# Altium PCB RTM_4SFP_3QSFP.PcbDoc (part 4 of 4)
Units mil, origin at the board's own origin, x right, y up, seen from the top; angles counter-clockwise.
Board outline 7187 x 5848.5 mil, 4 copper layers (L1, P2, P3, L4), stack 62.205 mil thick; 276 components, 257 nets, 1307 pads, 528 vias.
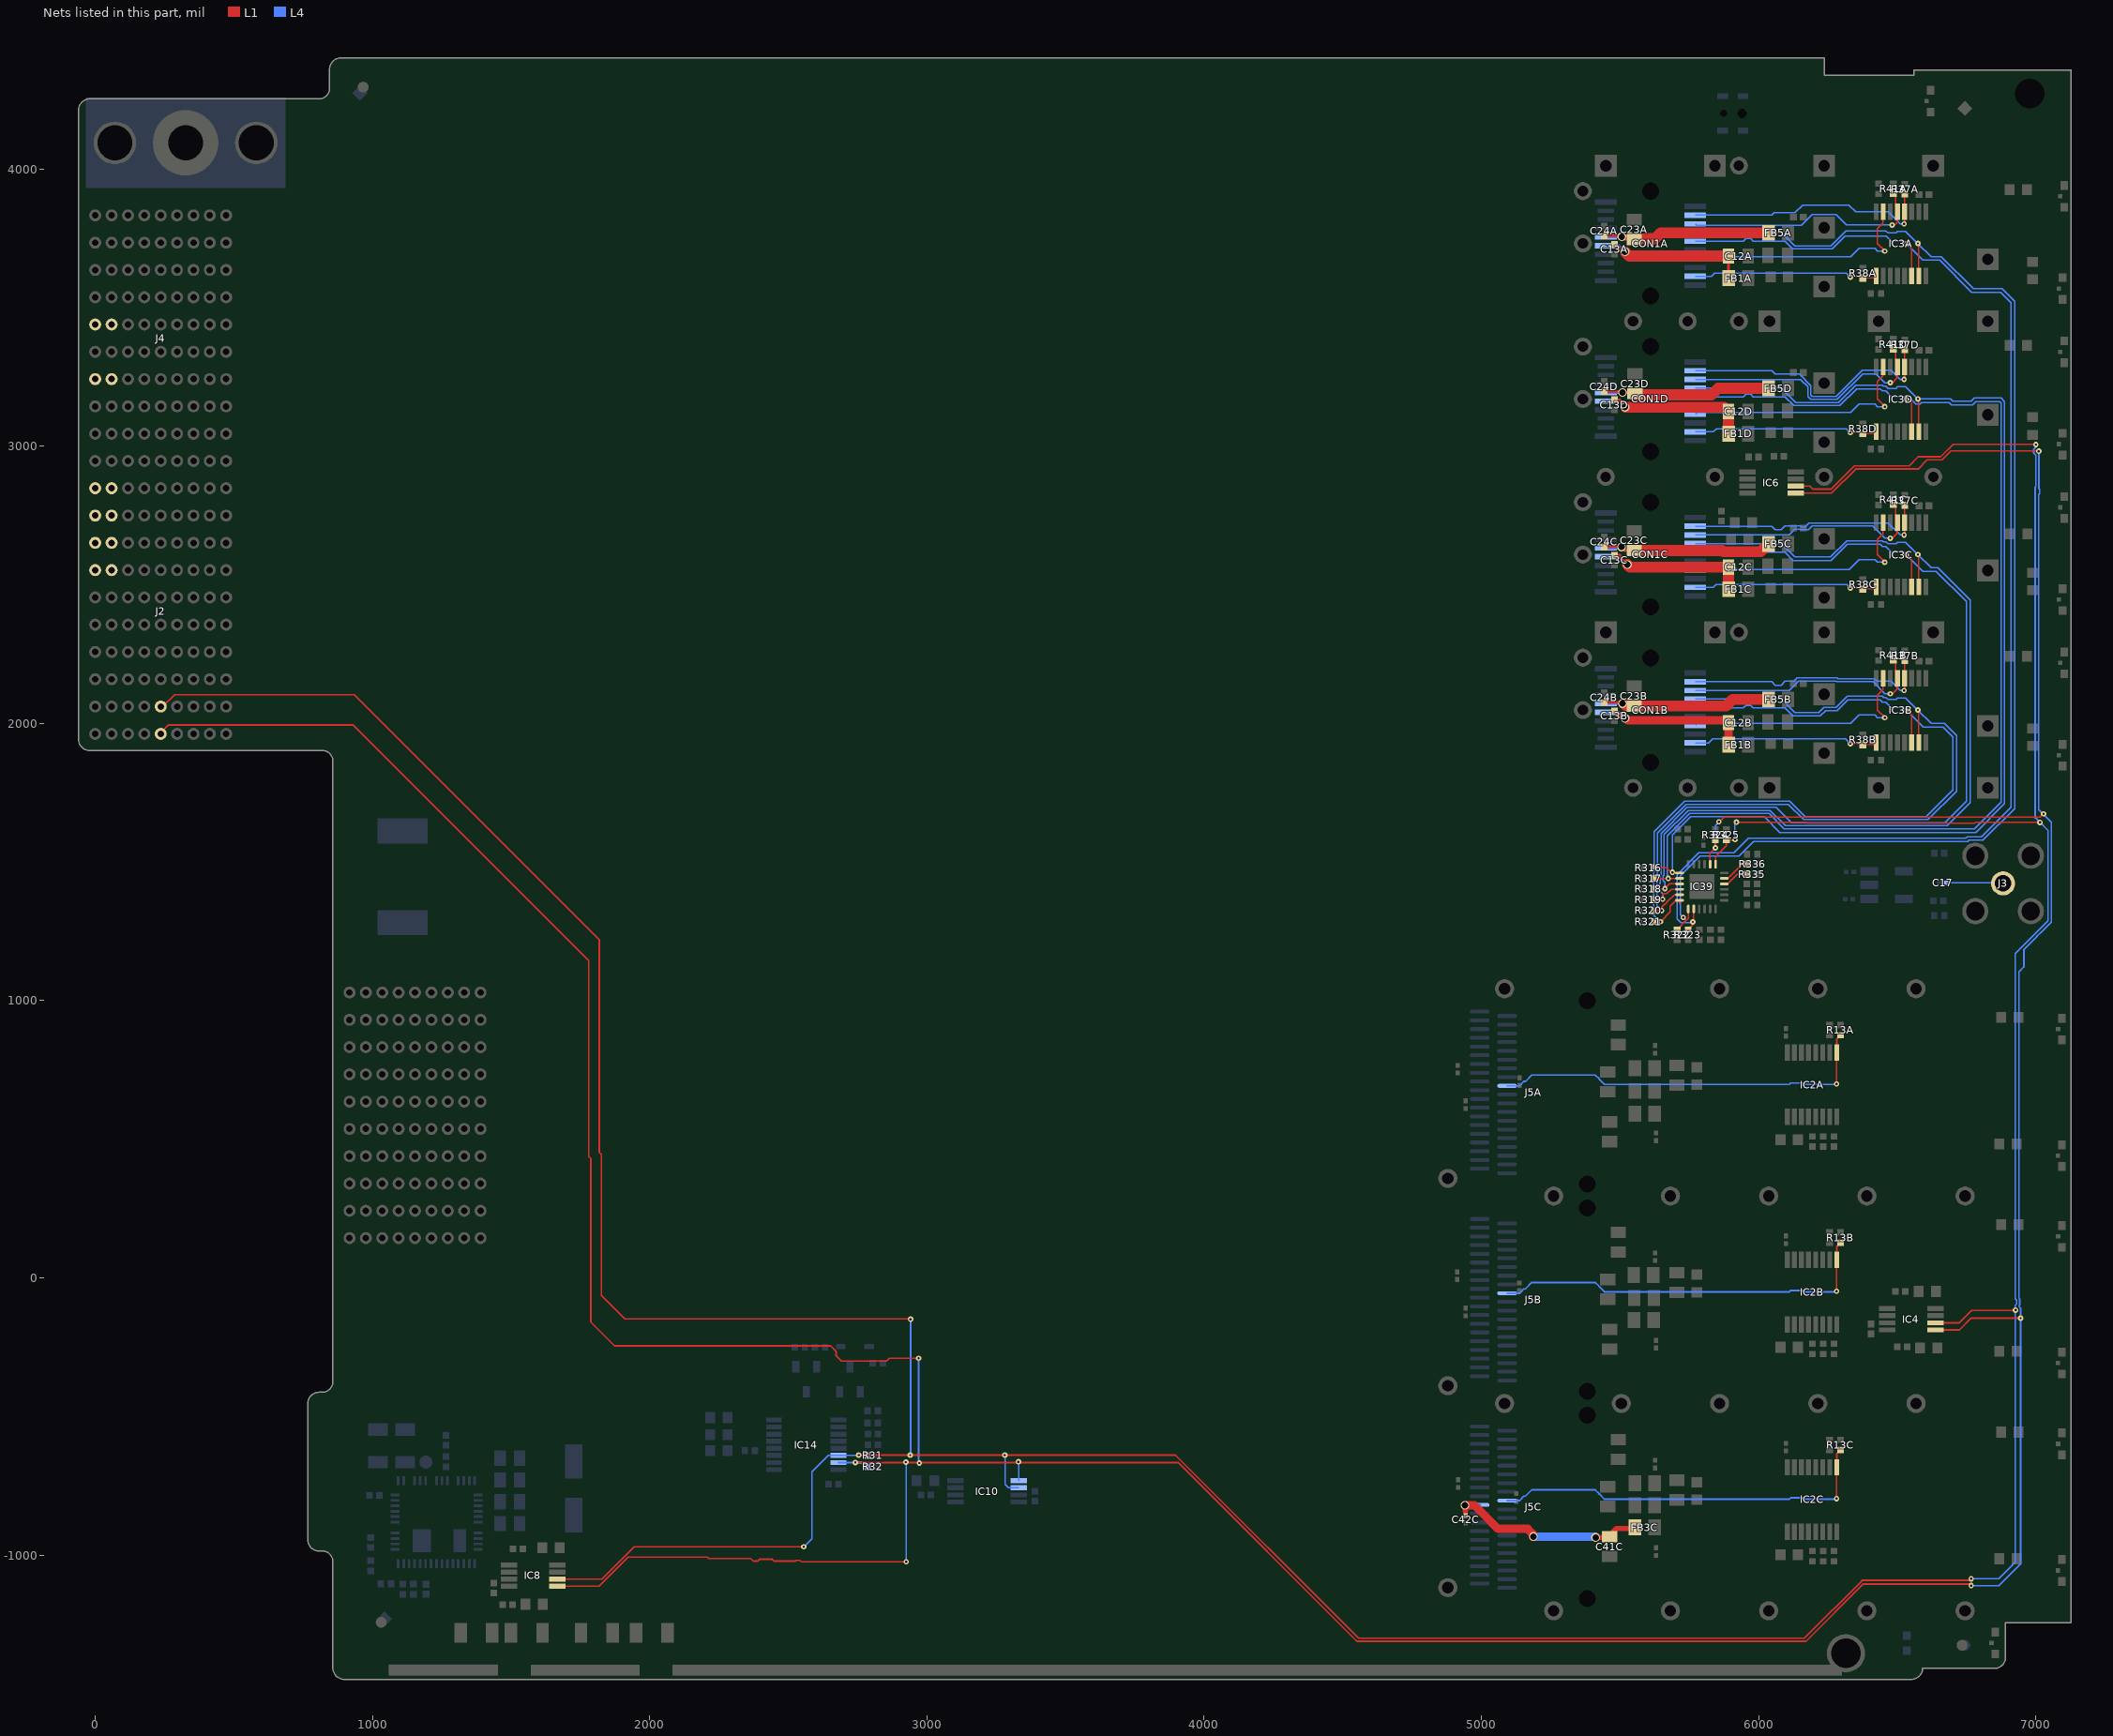
[diagram p6: the nets of this part, all layers, seen from the top]

## Via types
v1: diameter 19.68, hole 7.87, L1 to L4, tented both sides, 275 vias
v2: diameter 23.62, hole 15.75, L1 to L4, tented both sides, 124 vias
v3: diameter 31.5, hole 23.62, L1 to L4, tented both sides, 108 vias
v4: diameter 31.5, hole 15.75, L1 to L4, 12 vias
v5: diameter 23.62, hole 15.75, L1 to L4, 5 vias
v6: diameter 25.98, hole 12.99, L1 to L4, tented both sides, 4 vias

## Nets (pads, with @x,y where several pads share a name; then routed paths per layer and width w, separated by ;. In a path a pad name is that pad's centre, name@x,y a point inside that pad or via, vN(x,y) a via of type N, cw(c..) or ccw(c..) an arc to the next point about the centre after c; other vN are vias at no path point) (continued)
QSFP_VCCTXC: C41C.1 C42C.1 FB3C.2 J5C.29 | length 770.2
  L1 w15.75: C42C.1@4943,-857.28 4943,-857.22 4943,-840.55
  L1 w19.68: v3(4940.51,-820.06) 4943,-822.55 4943,-840.55 ; v3@5186.59,-933.06 v3(5188,-933.06) ; v3(5412,-936.06) 5454.8,-936.06 5460.12,-930.75 5486.8,-904.06 FB3C.2@5553.57,-904.06
  L1 w30: v3(4940.51,-820.06) 4975,-820.06 5060.01,-905.07 5167.1,-905.07 5185.73,-923.71 5185.73,-932.21 v3@5186.59,-933.06
  L4 w13.78: v3@4950.46,-818.9 J5C.29@4993.9,-818.9
  L4 w19.68: v3(4940.51,-820.06) 4941.68,-818.9 v3@4950.46,-818.9
  L4 w30: v3(5188,-933.06) v3@5412,-933.06
ResetLA: IC2A.9 J5A.9 R13A.2 | length 1405.8
  L1 w6: v1(6281,700) 6281,811.51 IC2A.9@6282.48,812.99 6282.48,862.4 R13A.2@6295.28,875.2
  L4 w6: J5A.9@5092.72,692.91 5138.41,692.91 5146.25,700.76 5146.25,702.25 5152.66,708.66 5159.08,708.66 5182.16,731.75 5410.84,731.75 5424.75,717.84 5424.75,716.78 5443.53,698 6111.24,698 6116.08,702.84 6163.8,702.84 6168.65,698 6279,698 v1(6281,700)
ResetLB: IC2B.9 J5B.9 R13B.2 | length 1405.8
  L1 w6: v1(6281,-48.03) 6281,63.48 IC2B.9@6282.48,64.96 6282.48,114.37 R13B.2@6295.28,127.17
  L4 w6: J5B.9@5092.72,-55.12 5138.41,-55.12 5146.25,-47.28 5146.25,-45.78 5152.66,-39.37 5159.08,-39.37 5182.16,-16.28 5410.84,-16.28 5424.75,-30.19 5424.75,-31.25 5443.53,-50.03 6111.24,-50.03 6116.08,-45.19 6163.8,-45.19 6168.65,-50.03 6279,-50.03 v1(6281,-48.03)
ResetLC: IC2C.9 J5C.9 R13C.2 | length 1405.8
  L1 w6: v1(6281,-796.06) 6281,-684.55 IC2C.9@6282.48,-683.07 6282.48,-633.66 R13C.2@6295.28,-620.87
  L4 w6: J5C.9@5092.72,-803.15 5138.41,-803.15 5146.25,-795.31 5146.25,-793.81 5152.66,-787.4 5159.08,-787.4 5182.16,-764.31 5410.84,-764.31 5424.75,-778.23 5424.75,-779.28 5443.53,-798.06 6111.24,-798.06 6116.08,-793.22 6163.8,-793.22 6168.65,-798.06 6279,-798.06 v1(6281,-796.06)
RS0A: CON1A.7 IC3A.7 | length 866
  L1 w5: IC3A.7@6449.8,3846.46 6448.65,3846.46 6448.65,3805.15 6428.52,3785.02 6428.52,3731.64 6455.18,3704.98 v1(6455.18,3703.74)
  L4 w5: CON1A.7@5771.66,3676.18 5778.63,3683.15 6331.74,3683.15 6361.8,3713.21 6419.66,3713.21 6429.13,3703.74 v1(6455.18,3703.74)
RS0B: CON1B.7 IC3B.7 | length 866
  L1 w5: IC3B.7@6449.8,2163.38 6448.65,2163.38 6448.65,2122.08 6428.52,2101.95 6428.52,2048.57 6455.18,2021.91 v1(6455.18,2020.67)
  L4 w5: CON1B.7@5771.66,1993.11 5778.63,2000.08 6331.74,2000.08 6361.8,2030.14 6419.66,2030.14 6429.13,2020.67 v1(6455.18,2020.67)
RS0C: CON1C.7 IC3C.7 | length 870.4
  L1 w5: IC3C.7@6449.8,2724.41 6448.65,2724.41 6448.65,2683.94 6428.52,2663.81 6428.52,2609.59 6455.18,2582.93 v1(6455.18,2581.69)
  L4 w5: CON1C.7@5771.66,2554.13 5778.63,2561.1 5915.37,2561.1 5920.65,2555.81 6326.46,2555.81 6361.8,2591.16 6419.66,2591.16 6429.13,2581.69 v1(6455.18,2581.69)
RS0D: CON1D.7 IC3D.7 | length 866
  L1 w5: IC3D.7@6449.8,3285.43 6448.65,3285.43 6448.65,3253.95 6428.52,3233.82 6428.52,3170.62 6455.18,3143.95 v1(6455.18,3142.72)
  L4 w5: CON1D.7@5771.66,3115.16 5778.63,3122.13 6331.74,3122.13 6361.8,3152.18 6419.66,3152.18 6429.13,3142.72 v1(6455.18,3142.72)
RS1RA: CON1A.9 IC3A.9 R38A.1 | length 668.7
  L1 w5: v1(6331.11,3610.24) 6370.86,3610.24 R38A.1@6375.94,3605.16 6377.93,3607.14 6417.19,3607.14 IC3A.9@6424.21,3614.17
  L4 w5: CON1A.9@5771.66,3613.19 5829.84,3613.19 5840.81,3624.16 6317.19,3624.16 v1(6331.11,3610.24)
RS1RB: CON1B.9 IC3B.9 R38B.1 | length 673.9
  L1 w5: v1(6331.11,1927.16) 6370.86,1927.16 R38B.1@6375.94,1922.08 6377.93,1924.07 6417.19,1924.07 IC3B.9@6424.21,1931.1
  L4 w5: CON1B.9@5771.66,1930.12 5818.9,1930.12 5834.16,1945.37 6096.68,1945.37 6098.7,1943.35 6113.9,1943.35 6115.92,1945.37 6312.9,1945.37 v1(6331.11,1927.16)
RS1RC: CON1C.9 IC3C.9 R38C.1 | length 668.3
  L1 w5: v1(6331.11,2488.19) 6370.86,2488.19 R38C.1@6375.94,2483.11 6377.93,2485.1 6417.19,2485.1 IC3C.9@6424.21,2492.12
  L4 w5: CON1C.9@5771.66,2491.14 5835.75,2491.14 5846.22,2501.61 6317.69,2501.61 v1(6331.11,2488.19)
RS1RD: CON1D.9 IC3D.9 R38D.1 | length 668.7
  L1 w5: v1(6331.11,3049.21) 6370.86,3049.21 R38D.1@6375.94,3044.13 6377.93,3046.12 6417.19,3046.12 IC3D.9@6424.21,3053.15
  L4 w5: CON1D.9@5771.66,3052.16 5836.73,3052.16 5847.7,3063.14 6317.19,3063.14 v1(6331.11,3049.21)
RTM_FPGA_GTP_Rx0_N: J2.B8
RTM_FPGA_GTP_Rx0_P: J2.A8
RTM_FPGA_GTP_Rx1_N: J2.B7
RTM_FPGA_GTP_Rx1_P: J2.A7
RTM_FPGA_GTP_Tx0_N: J2.B10
RTM_FPGA_GTP_Tx0_P: J2.A10
RTM_FPGA_GTP_Tx1_N: J2.B9
RTM_FPGA_GTP_Tx1_P: J2.A9
RTM_FPGA_LVDS1_N: J4.B6
RTM_FPGA_LVDS1_P: J4.A6
RTM_FPGA_LVDS2_N: J4.B4
RTM_FPGA_LVDS2_P: J4.A4
SCL: IC4.2 IC6.2 IC8.2 IC10.6 IC14.14 IC39.19 J2.D2 R31.2 R325.1 | length 17717
  L1 w5: IC39.19@5844.88,1492.32 5844.88,1520.02 5884.06,1559.2 R325.1@5884.06,1579.92 5913.92,1579.92 v1(5915,1581) ; v1(5920,1644) 5920,1644.14 5919.8,1644.34 6169.6,1644.34 6173.4,1640.54 6779.54,1640.54 6782,1643 v1(7015,1643)
  L1 w6: J2.D2@236.22,2061.02 236.22,2054.14 286.08,2104 935,2104 1818,1221 1818,453.52 1825.72,445.8 1825.72,-62.72 1911,-148 2940,-148 v1(2941,-149) ; IC8.2@1666.32,-1086.57 1827.19,-1086.57 1943.76,-970 v1(2555.97,-970) ; v1(2754,-639) v1(2940,-639) v1(3281,-639) 3896.85,-639 4557.85,-1300 6164.66,-1300 6373.66,-1091 6761.16,-1091 v1(6767,-1085.16) ; IC6.2@6133.61,2856.2 6184.8,2856.2 6196,2845 6261.6,2845 6345.46,2928.86 6542.86,2928.86 6576,2962 6657.12,2962 6702.12,3007 6999.25,3007 v1(7000,3006.25) ; IC4.2@6637.53,-161.8 6724.06,-161.8 6768.86,-117 6926,-117 v1(6927,-116)
  L4 w5: v1(5915,1581) 5915,1639.54 5919.46,1644 v1(5920,1644)
  L4 w6: v1(2555.97,-970) 2585,-940.97 2585,-699.45 2644.14,-640.31 IC14.14@2680.56,-640.31 2786.69,-640.31 R31.2@2786.94,-640.06 ; v1(2940,-639) 2941,-638 v1(2941,-149) ; v1(3281,-639) 3281.96,-639.96 3281.96,-745 3294,-757.04 IC10.6@3331.4,-757.04 ; v1(6767,-1085.16) 6867,-1085.16 6926,-1026.16 6926,-99.18 6930.84,-94.34 6930.84,-79.56 6926,-74.72 6926,1169.84 7044,1287.84 7044,1614 v1(7015,1643) 6998,1660 6998,2852.77 6999.84,2854.61 6999.84,2967.77 6993,2974.61 6993,2989.39 6999.84,2996.23
SDA: IC4.1 IC6.1 IC8.1 IC10.5 IC14.15 IC39.20 J2.D1 R32.2 R324.1 | length 18039.3
  L1 w5: IC39.20@5825.2,1492.32 5825.2,1531.83 v1(5844.5,1551.13) 5844.5,1560.63 R324.1@5844.5,1579.92 ; v1(5857,1645) 5858.28,1645 5875.62,1662.34 5927.6,1662.34 5928.6,1661.34 7015.34,1661.34 v1(7028,1674)
  L1 w6: J2.D1@236.22,1962.6 236.22,1967.22 264,1995 930,1995 1780,1145 1780,437.78 1787.72,430.06 1787.72,-159.72 1873,-245 2652.96,-245 2672.16,-264.2 2672.16,-279.8 2692.35,-300 2854.84,-300 2864.84,-290 v1(2970,-290) ; IC8.1@1666.32,-1112.16 1817.16,-1112.16 1922.3,-1007.01 2208.78,-1007.01 2213.61,-1011.84 2364.61,-1011.84 2374.61,-1021.84 2389.39,-1021.84 2396.23,-1015 2442.23,-1015 2449.08,-1021.84 2524.92,-1021.84 2527.61,-1019.16 2542.39,-1019.16 2547.23,-1024 v1(2925.62,-1024) ; v1(2742,-665.9) 3906.78,-665.9 4551.88,-1311 6170.63,-1311 6377.63,-1104 6761.16,-1104 v1(6767,-1109.84) ; IC6.1@6133.61,2830.61 6262.77,2830.61 6350.02,2917.86 6575.01,2917.86 6608.15,2951 6661.68,2951 6693.68,2983 7009.84,2983 v1(7010.84,2982) ; IC4.1@6637.53,-187.39 6724.61,-187.39 6767,-145 v1(6945,-145)
  L4 w5: v1(5844.5,1551.13) 5844.5,1631.22 5857,1643.72 v1(5857,1645)
  L4 w6: IC14.15@2680.56,-665.9 v1(2742,-665.9) 2766.94,-665.9 2769.56,-663.28 R32.2@2786.94,-680.66 ; v1(2924,-664.68) 2925.62,-666.3 v1(2925.62,-1024) ; v1(2970,-290) 2970,-665 v1(2973,-668) ; v1(3330,-663.28) 3331.4,-664.68 IC10.5@3331.4,-731.45 ; v1(6767,-1109.84) 6867,-1109.84 6944.84,-1032 6944.84,-108.61 6939,-102.77 6939,-101.74 6941.84,-98.9 6941.84,-75 6939,-72.16 6939,1103.77 6956.84,1121.61 6956.84,1183.71 7004.16,1231.03 7004.16,1232.39 7014.61,1242.84 7015.97,1242.84 7056,1282.87 7056,1643.13 7010,1689.13 7010,2825.8 7013.81,2829.61 7013.81,2844.39 7010,2848.2 7010,2849.21 7010.84,2850.05 v1(7010.84,2982)
SFP_I2C_0.SCL: CON1D.5 IC3D.14 IC39.2 R317.1 | length 4298.8
  L1 w5: R317.1@5621.68,1441.14 5674,1441.14 IC39.2@5714.96,1441.14 ; v1(6533.47,3169.29) 6537.8,3169.29 6552.17,3154.93 IC3D.14@6552.17,3053.15
  L4 w5: v1(5674,1441) 5670.66,1444.34 5670.66,1594.43 5751.23,1675 5846.78,1675 5847.12,1675.34 5893.43,1675.34 5893.77,1675 6037.33,1675 6092.37,1619.96 6777.86,1619.96 6874.65,1716.75 6874.65,3156.08 6869.67,3161.06 6783.89,3161.06 6772.23,3149.4 6695.12,3149.4 6687.05,3157.47 6587.7,3157.47 6582.35,3152.13 6567.16,3152.13 6550,3169.29 v1(6533.47,3169.29) 6522.64,3180.12 6477.35,3180.12 6458.26,3199.21 6447.51,3199.21 6439.41,3207.3 6353.6,3207.3 6292.79,3146.49 6127.13,3146.49 6095.48,3178.15 5980.45,3178.15 5970.98,3187.62 5954.23,3187.62 5944.76,3178.15 CON1D.5@5771.66,3178.15
SFP_I2C_0.SDA: CON1D.4 IC3D.15 IC39.1 R316.1 | length 4298
  L1 w5: R316.1@5621.68,1480.31 5668.05,1480.31 v1@5687.18,1461.18 ; v1@5689,1460.83 IC39.1@5714.96,1460.83 ; v1(6574.76,3170.47) 6577.76,3167.47 IC3D.15@6577.76,3053.15
  L4 w5: v1(5689,1463) 5689,1597.22 5755.78,1664 5851.33,1664 5851.68,1664.34 5888.87,1664.34 5889.22,1664 6020,1664 6077.04,1606.96 6783.24,1606.96 6887.65,1711.37 6887.65,3161.46 6875.06,3174.06 6778.51,3174.06 6766.85,3162.4 6700.51,3162.4 6692.44,3170.47 v1(6574.76,3170.47) 6530.65,3214.58 6501.1,3214.58 6495.43,3208.91 6466.77,3208.91 6459.43,3216.25 6450.72,3216.25 6446.79,3220.18 6350.92,3220.18 6288.23,3157.49 6134.34,3157.49 6082.19,3209.65 CON1D.4@5771.66,3209.65
SFP_I2C_1.SCL: CON1C.5 IC3C.14 IC39.4 R319.1 | length 3507.9
  L1 w5: R319.1@5621.68,1364.37 v1@5651.18,1364.37 ; v1(5654,1366.14) 5654,1381 5658.66,1385.66 5669.6,1385.66 5685.71,1401.77 IC39.4@5714.96,1401.77 ; v1(6533.47,2608.27) 6537.8,2608.27 6552.17,2593.9 IC3C.14@6552.17,2492.12
  L4 w5: v1(5654,1366.14) 5655,1367.14 5655,1385.06 5643.66,1396.4 5643.66,1424.28 5644.66,1425.28 5644.66,1453.15 5648.66,1457.15 5648.66,1603.54 5742.11,1697 5837.67,1697 5838.01,1697.34 5902.54,1697.34 5902.88,1697 6063.66,1697 6118.7,1641.96 6615.52,1641.96 6616.1,1642.54 6672.5,1642.54 6750,1720.04 6750,2439.46 6640.46,2549.01 6592.73,2549.01 v1(6533.47,2608.27) 6522.64,2619.09 6477.35,2619.09 6458.26,2638.18 6447.51,2638.18 6439.41,2646.28 6319.66,2646.28 6261.35,2587.97 6124.63,2587.97 6095.48,2617.13 5980.45,2617.13 5970.98,2626.59 5954.23,2626.59 5944.76,2617.13 CON1C.5@5771.66,2617.13
SFP_I2C_1.SDA: CON1C.4 IC3C.15 IC39.3 R318.1 | length 3473.4
  L1 w5: R318.1@5621.68,1403.35 v1@5660.79,1403.35 ; v1@5661.72,1404.28 5678.9,1421.46 IC39.3@5714.96,1421.46 ; v1(6574.76,2609.45) 6577.76,2606.45 IC3C.15@6577.76,2492.12
  L4 w5: v1(5662,1404) 5662,1427.06 5655.66,1433.4 5655.66,1448.6 5659.66,1452.6 5659.66,1598.99 5746.67,1686 5842.22,1686 5842.56,1686.34 5897.99,1686.34 5898.33,1686 6041.89,1686 6096.93,1630.96 6620.07,1630.96 6620.66,1631.54 6679.88,1631.54 6763,1714.66 6763,2444.85 6645.84,2562.01 6622.2,2562.01 v1(6574.76,2609.45) 6530.65,2653.56 6501.1,2653.56 6495.43,2647.88 6466.77,2647.88 6459.43,2655.23 6450.72,2655.23 6446.79,2659.15 6318.39,2659.15 6260.08,2600.85 6129.96,2600.85 6082.19,2648.62 CON1C.4@5771.66,2648.62
SFP_I2C_2.SCL: CON1B.5 IC3B.14 IC39.6 R321.1 | length 3017.7
  L1 w5: R321.1@5621.68,1285.43 5646,1285.43 v1@5646.43,1285.43 ; v1(5646,1285) v1@5646.43,1285.43 ; 5714.96,1349.2 IC39.6@5714.96,1362.4 5702.39,1362.4 5681,1341.01 5681,1320 v1@5646.43,1285.43 ; v1(6533.47,2047.24) 6537.8,2047.24 6552.17,2032.88 IC3B.14@6552.17,1931.1
  L4 w5: v1(5646,1285) 5621.66,1309.34 5621.66,1461.27 5624,1463.61 5624,1610 5733.34,1719.34 6112.11,1719.34 6167.5,1663.96 6603.58,1663.96 6700.51,1760.89 6700.51,1951.65 6665.09,1987.08 6593.63,1987.08 v1(6533.47,2047.24) 6522.64,2058.07 6477.35,2058.07 6458.26,2077.16 6447.51,2077.16 6439.41,2085.25 6322.49,2085.25 6283.68,2046.44 6242.12,2046.44 6222.63,2026.95 6124.63,2026.95 6095.48,2056.1 5980.45,2056.1 5970.98,2065.57 5954.23,2065.57 5944.76,2056.1 CON1B.5@5771.66,2056.1
SFP_I2C_2.SDA: CON1B.4 IC3B.15 IC39.5 R320.1 | length 2968.1
  L1 w5: R320.1@5621.68,1325 v1(5650,1325) 5650,1336.56 5661.24,1347.8 5661.6,1347.8 5672.34,1358.55 5672.34,1358.9 5695.53,1382.09 IC39.5@5714.96,1382.09 ; v1(6574.76,2048.42) 6577.76,2045.43 IC3B.15@6577.76,1931.1
  L4 w5: v1(5650,1325) 5632.66,1342.34 5632.66,1456.71 5635,1459.05 5635,1605.44 5737.9,1708.34 5907.1,1708.34 5907.44,1708 6107.9,1708 6162.94,1652.96 6610.96,1652.96 6713.51,1755.51 6713.51,1957.04 6670.47,2000.08 6623.1,2000.08 v1(6574.76,2048.42) 6530.65,2092.53 6501.1,2092.53 6495.43,2086.86 6466.77,2086.86 6459.43,2094.2 6450.72,2094.2 6446.79,2098.13 6319.8,2098.13 6279.12,2057.44 6234.92,2057.44 6217.3,2039.82 6129.96,2039.82 6082.19,2087.6 CON1B.4@5771.66,2087.6
SFP_I2C_3.SCL: CON1A.5 IC3A.14 IC39.8 R323.1 | length 4826.2
  L1 w5: R323.1@5745.47,1256.5 v1@5766.14,1277.17 ; v1@5766.14,1284 IC39.8@5766.14,1330.9 ; v1(6533.47,3730.31) 6537.8,3730.31 6552.17,3715.95 IC3A.14@6552.17,3614.17
  L4 w5: v1(5763,1284) 5760.66,1281.66 5720.4,1281.66 5706.69,1295.37 5706.69,1454.75 5784.73,1532.79 5910.9,1532.79 5963.65,1585.54 6747.18,1585.54 6753.41,1591.78 6804.39,1591.78 6910.49,1697.88 6910.49,3517.9 6872.9,3555.48 6769.11,3555.48 6653.54,3671.05 6592.73,3671.05 v1(6533.47,3730.31) 6522.64,3741.14 6477.35,3741.14 6460.14,3758.36 6312.52,3758.36 6266.05,3711.89 6122.76,3711.89 6095.48,3739.17 5980.45,3739.17 5970.98,3748.64 5954.23,3748.64 5944.76,3739.17 CON1A.5@5771.66,3739.17
SFP_I2C_3.SDA: CON1A.4 IC3A.15 IC39.7 R322.1 | length 4820.1
  L1 w5: R322.1@5705.84,1256.5 5738.67,1289.33 ; v1(5728,1300) 5738.67,1289.33 ; IC39.7@5746.46,1330.9 5746.46,1297.11 5738.67,1289.33 ; v1(6574.76,3731.5) 6577.76,3728.5 IC3A.15@6577.76,3614.17
  L4 w5: v1(5728,1300) 5718,1310 5718,1450.5 5789.28,1521.79 5928.79,1521.79 5981.54,1574.54 6754.56,1574.54 6758.8,1578.78 6809.77,1578.78 6923.49,1692.49 6923.49,3523.28 6878.29,3568.48 6774.5,3568.48 6658.93,3684.05 6622.2,3684.05 v1(6574.76,3731.5) 6530.65,3775.61 6501.1,3775.61 6495.43,3769.93 6466.77,3769.93 6459.43,3777.27 6315.88,3777.27 6261.5,3722.89 6129.96,3722.89 6082.19,3770.67 CON1A.4@5771.66,3770.67
SFP_I2C_7.SCL: IC39.17 R336.1 | length 105
  L1 w5: IC39.17@5876.38,1441.14 5889.17,1441.14 5940.16,1492.13 5940.16,1492.91 R336.1@5959.45,1492.91
SFP_I2C_7.SDA: IC39.16 R335.1 | length 96.9
  L1 w5: IC39.16@5876.38,1421.46 5889.17,1421.46 5923.52,1455.81 R335.1@5959.06,1455.81
SFP_VCCRA: C12A.1 C13A.1 CON1A.15 FB1A.2 | length 588.6
  L1 w10: C13A.1@5480.32,3728.35 5492.54,3716.12 5497.08,3716.12 5503.52,3709.67 5503.52,3705.14 5508.27,3700.39 v3@5518.11,3700.39 ; FB1A.2@5891.73,3606.3 C12A.1@5891.73,3686.02
  L1 w40: v3@5519.1,3700.39 5533.47,3686.02 C12A.1@5891.74,3686.02
  L4 w10: CON1A.15@5448.83,3723.43 5496.46,3723.43 v3(5518.11,3701.77)
SFP_VCCRB: C12B.1 C13B.1 CON1B.15 FB1B.2 | length 555.5
  L1 w10: C13B.1@5480.32,2045.27 5492.54,2033.05 5497.08,2033.05 5503.52,2026.6 5503.52,2022.07 v3@5506.89,2018.7
  L1 w30: v3@5527.49,2011.3 5880.68,2011.3 C12B.1@5891.73,2000.25 ; FB1B.2@5891.74,1940.92 C12B.1@5891.74,2000.25 ; C12B.1@5891.74,2000.25 5894.43,2000.25 C12B.1@5891.74,2002.95 C12B.1@5891.74,2000.25
  L4 w10: CON1B.15@5448.83,2040.35 5496.07,2040.35 v3@5517.73,2018.7
  other v3: 5518.11,2018.7
SFP_VCCRC: C12C.1 C13C.1 CON1C.15 FB1C.2 | length 577.7
  L1 w10: C13C.1@5480.32,2606.3 5500.39,2606.3 5503.52,2603.17 5503.52,2596.29 v3(5526.81,2573)
  L1 w40: v3(5526.81,2573) 5535.83,2563.98 C12C.1@5891.74,2563.98 FB1C.2@5891.74,2509.01
  L4 w10: CON1C.15@5448.83,2601.38 5498.43,2601.38 5503.52,2596.29 v3(5526.81,2573)
SFP_VCCRD: C12D.1 C13D.1 CON1D.15 FB1D.2 | length 591
  L1 w10: C13D.1@5480.32,3167.32 5481.64,3166 5498.43,3166 ; 5500.39,3166 5498.43,3166 ; v3@5520.09,3140.75 5520.09,3144.34 5498.43,3166
  L1 w40: v3@5520.09,3140.75 5875.99,3140.75 C12D.1@5891.74,3125 FB1D.2@5891.74,3045.28
  L4 w10: CON1D.15@5448.83,3162.4 5496.46,3162.4 v3(5518.11,3140.75)
SFP_VCCTA: C23A.1 C24A.1 CON1A.16 FB5A.2 | length 661
  L1 w10: C24A.1@5442.91,3758.86 5506.59,3758.86 5538.39,3758.86 C23A.1@5551.18,3746.06 v3@5515.75,3746.06
  L1 w40: 5590.28,3748.64 5626.04,3748.64 5647.08,3769.68 FB5A.2@6035.43,3769.68
  L4 w10: CON1A.16@5448.83,3754.92 5505.68,3754.92 v3(5506.59,3755.83)
SFP_VCCTB: C23B.1 C24B.1 CON1B.16 FB5B.2 | length 664.1
  L1 w10: C24B.1@5442.91,2075.79 5504.97,2075.79 v3(5509,2071.76)
  L1 w40: v3@5513.41,2073.36 5523.78,2062.99 C23B.1@5551.18,2062.99 5882.94,2062.99 5906.57,2086.61 FB5B.2@6035.43,2086.61
  L4 w10: CON1B.16@5448.83,2071.85 5508.9,2071.85 v3(5509,2071.76)
SFP_VCCTC: C23C.1 C24C.1 CON1C.16 FB5C.2 | length 672.4
  L1 w10: C24C.1@5442.91,2636.81 v3(5505.54,2636.81) 5509.94,2636.81 5515.75,2631 5515.75,2624.01 C23C.1@5551.18,2624.01